# Altium PCB LAY-94611_B.PcbDoc (part 3 of 16) (continued)
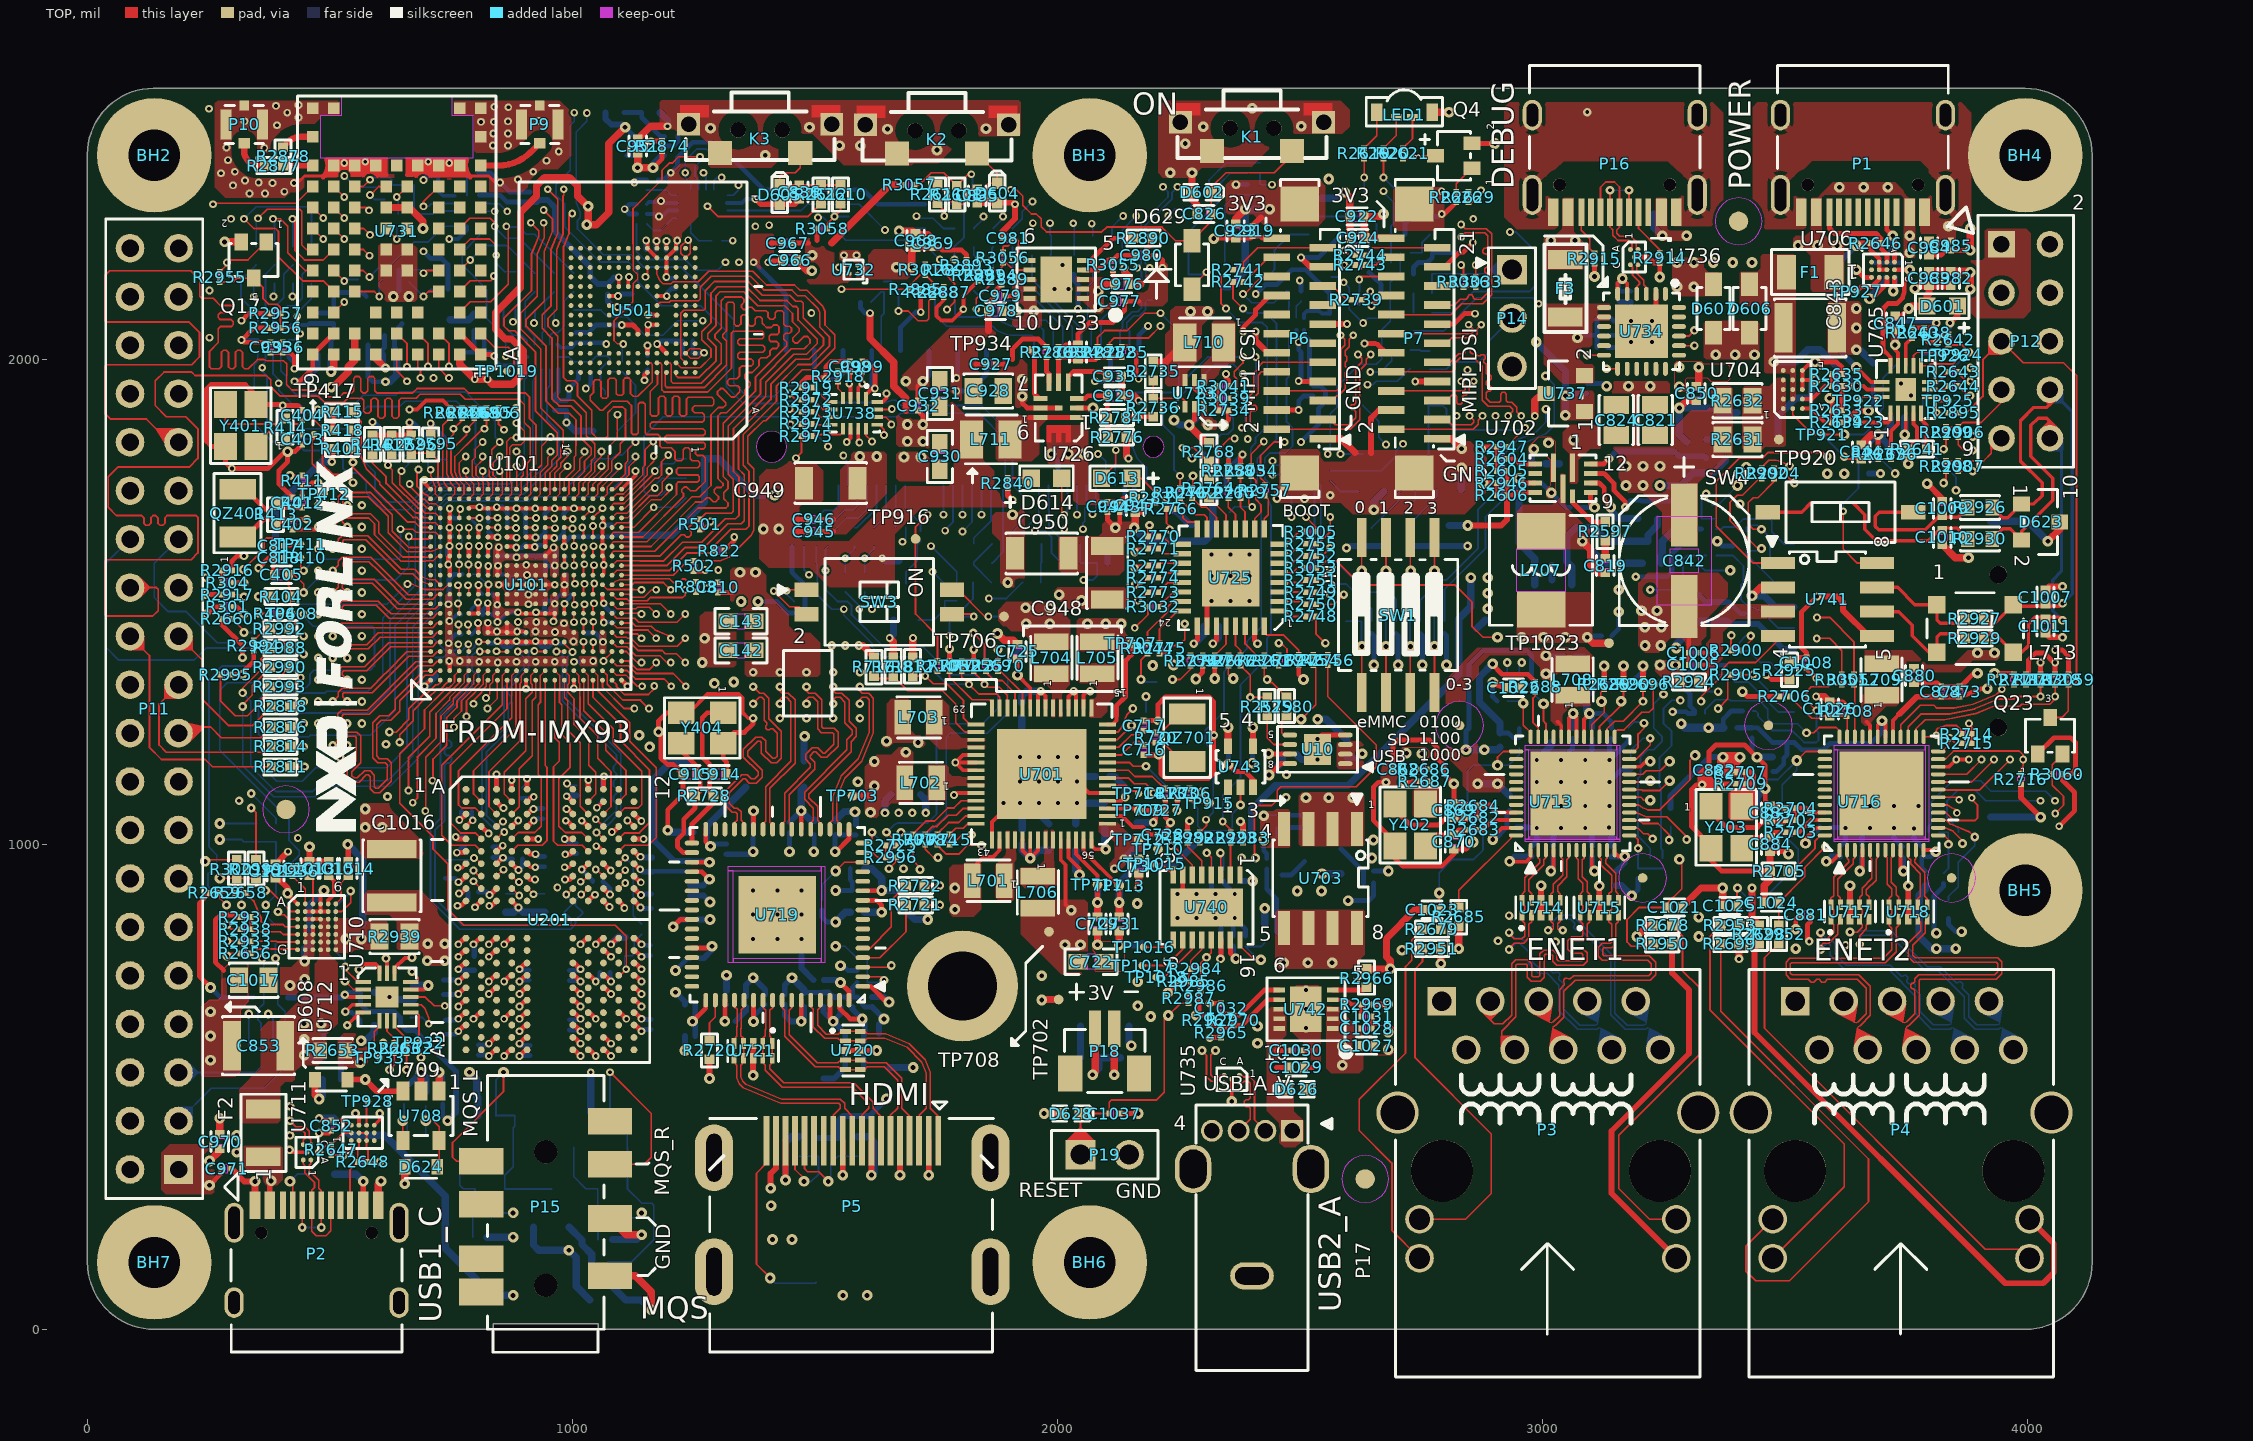
[diagram p0: TOP view]
## Part data (continued)
  R2639: Part Reference=R2639, Temp_Range="-55C to +155C"
  R2786: Part Reference=R2786, Temp_Range="-55C to +155C"
R706 R707 R708 R710 R714 R715 R2569 R2570 R2640 R2643 R2644 R2656 R2658 R2662 R2663 R2738 R2740 R2753 R2754 R2756 R2761 R2763 R2767 R2769 R2852 R2856 R2857 R2858 R2861 R2863 R2865 R2868 R2895 R2896 R2898 R2899 R2900 R2901 R2902 R2903 R2904 R2905 R2906 R2907 R2908 R2909 R2931 R2933 R2934 R2935 R2938 R2955 R2959 R2961 R2970 R2972 R2973 R2974 R2975 R3023 R3024 R3029 R3030 R3056: library part RES, "0201,0Ohm,+/-5%", Tolerance=5%, Voltage=1/16W, CAD_APPROVED=Yes, CLASS=DISCRETE, FPLIST=RC0402_25,RC0402_HD,RC0402_X2,0402_CC, Height="0.45 MM", MFG_NAME01=FENGHUA, MFG_PN01=RC-01000JT, PCB Footprint=R0201, RoHS=Yes
  R706: Part Reference=R706
  R707: Part Reference=R707
  R708: Part Reference=R708
  R710: Part Reference=R710
  R714: Part Reference=R714
  R715: Part Reference=R715
  R2569: Part Reference=R2569
  R2570: Part Reference=R2570
  R2640: Part Reference=R2640
  R2643: Part Reference=R2643
  R2644: Part Reference=R2644
  R2656: Part Reference=R2656
  R2658: Part Reference=R2658
  R2662: Part Reference=R2662
  R2663: Part Reference=R2663
  R2738: Part Reference=R2738
  R2740: Part Reference=R2740
  R2753: Part Reference=R2753
  R2754: Part Reference=R2754
  R2756: Part Reference=R2756
  R2761: Part Reference=R2761
  R2763: Part Reference=R2763
  R2767: ASSY_OPT=DNP, Part Reference=R2767
  R2769: ASSY_OPT=DNP, Part Reference=R2769
  R2852: Part Reference=R2852
  R2856: Part Reference=R2856
  R2857: Part Reference=R2857
  R2858: Part Reference=R2858
  R2861: ASSY_OPT=DNP, Part Reference=R2861
  R2863: ASSY_OPT=DNP, Part Reference=R2863
  R2865: Part Reference=R2865
  R2868: ASSY_OPT=DNP, Part Reference=R2868
  R2895: ASSY_OPT=DNP, Part Reference=R2895
  R2896: ASSY_OPT=DNP, Part Reference=R2896
  R2898: ASSY_OPT=DNP, Part Reference=R2898
  R2899: Part Reference=R2899
  R2900: Part Reference=R2900
  R2901: Part Reference=R2901
  R2902: Part Reference=R2902
  R2903: Part Reference=R2903
  R2904: Part Reference=R2904
  R2905: Part Reference=R2905
  R2906: Part Reference=R2906
  R2907: Part Reference=R2907
  R2908: ASSY_OPT=DNP, Part Reference=R2908
  R2909: ASSY_OPT=DNP, Part Reference=R2909
  R2931: Part Reference=R2931
  R2933: Part Reference=R2933
  R2934: Part Reference=R2934
  R2935: Part Reference=R2935
  R2938: Part Reference=R2938
  R2955: ASSY_OPT=DNP, Part Reference=R2955
  R2959: ASSY_OPT=DNP, Part Reference=R2959
  R2961: Part Reference=R2961
  R2970: ASSY_OPT=DNP, Part Reference=R2970
  R2972: Part Reference=R2972
  R2973: Part Reference=R2973
  R2974: Part Reference=R2974
  R2975: Part Reference=R2975
  R3023: Part Reference=R3023
  R3024: Part Reference=R3024
  R3029: Part Reference=R3029
  R3030: ASSY_OPT=DNP, Part Reference=R3030
  R3056: ASSY_OPT=DNP, Part Reference=R3056
R712 R713 R2665 R2669 R2674 R2675 R2676 R2677 R2994 R2995: library part RES, "0201,1.5K,+/-1%", Temp Range="-55C to +155C", Tolerance=5%, Voltage=50V, CAD_APPROVED=Yes, CLASS=DISCRETE, FPLIST=RC0402_25,RC0402_HD,0402_CC,RC0402_X2, Height=0.41mm, MFG_NAME01=FENGHUA, MFG_PN01=RC-01W1501FT, PCB Footprint=R0201, RoHS=Yes, Temp_Range="-55C to +155C"
  R712: Part Reference=R712
  R713: Part Reference=R713
  R2665: Part Reference=R2665
  R2669: Part Reference=R2669
  R2674: Part Reference=R2674
  R2675: ASSY_OPT=DNP, Part Reference=R2675
  R2676: Part Reference=R2676
  R2677: ASSY_OPT=DNP, Part Reference=R2677
  R2994: Part Reference=R2994
  R2995: Part Reference=R2995
R720: library part RES, "0201,1M,+/-1%", Temp Range="55¡ãC ~ 125¡ãC", Tolerance=5%, Voltage=25V, ASSY_OPT=DNP, CAD_APPROVED=Yes, CLASS=DISCRETE, FPLIST=RC0201,0201_CC, Height=0.26MM, MFG_NAME01=FENGHUA, MFG_PN01=RC-01W1004FT, Part Reference=R720, PCB Footprint=R0201, RoHS=Yes, Temp_Range="55¡ãC ~ 125¡ãC"
R816: library part RES, "0402,1K,+/-1%", Tolerance=5%, ASSY_OPT=DNP, CAD_APPROVED=Yes, CLASS=DISCRETE, FPLIST=RC0402_25,RC0402_HD,0402_CC, Height="0.4 MM", MFG_NAME01=FENGHUA, MFG_PN01=RC-02K1001FT, Part Reference=R816, PCB Footprint=R0402, RoHS=Yes
R822: library part RES, "0201,47K,5%", Temp Range="-55¡ãC ~ 125¡ãC", Tolerance=5%, Voltage=25V, CAD_APPROVED=Yes, CLASS=DISCRETE, FPLIST=RC0201,0201_CC, Height=0.26MM, MFG_NAME01=FENGHUA, MFG_PN01=RC-01W473JT, Part Reference=R822, PCB Footprint=R0201, RoHS=Yes, Temp_Range="-55¡ãC ~ 125¡ãC"
R2581 R2582 R2583 R2584: library part RES, "0201,4.7K,+/-1%", Tolerance=5%, CAD_APPROVED=Yes, CLASS=DISCRETE, FPLIST=RC0402_25,RC0402_HD,0402_CC,RC0402_X2, Height=0.41mm, MFG_NAME01=FENGHUA, MFG_PN01=RC-01W4701FT, PCB Footprint=R0201, RoHS=Yes
  R2581: Part Reference=R2581
  R2582: Part Reference=R2582
  R2583: Part Reference=R2583
  R2584: Part Reference=R2584
R2585 R2595 R2596: library part RES, "0402,100K,+/-1%", Rating=1/16W, Tolerance=5%, CAD_APPROVED=Yes, CLASS=DISCRETE, FPLIST=RC0402_25,RC0402_HD,RC0402_X2,0402_CC,CAPC0402_L, Height=0.41mm, MFG_NAME01=FENGHUA, MFG_PN01=RC-02K1003FT, PCB Footprint=R0402, RoHS=Yes
  R2585: Part Reference=R2585
  R2595: ASSY_OPT=DNP, Part Reference=R2595
  R2596: Part Reference=R2596
R2586 R2587 R2589 R2590: library part RES, "0201,1K,+/-1%", Rating=1/16W, Tolerance=5%, CAD_APPROVED=Yes, CLASS=DISCRETE, FPLIST=RC0402_25,RC0402_HD,RC0402_X2,0402_CC,CAPC0402_L, Height=0.41mm, MFG_NAME01=FENGHUA, MFG_PN01=RC-01W1001FT, PCB Footprint=R0201, RoHS=Yes
  R2586: Part Reference=R2586
  R2587: Part Reference=R2587
  R2589: Part Reference=R2589
  R2590: Part Reference=R2590
R2588: library part RES, "0402,20K,+/-1%", Rating=1/16W, Tolerance=5%, CAD_APPROVED=Yes, CLASS=DISCRETE, FPLIST=RC0402_25,RC0402_HD,RC0402_X2,0402_CC,CAPC0402_L, Height=0.41mm, MFG_NAME01=FENGHUA, MFG_PN01=RC-02K2002FT, Part Reference=R2588, PCB Footprint=R0402, RoHS=Yes
R2591: library part RES, "0201,100K,+/-1%", Rating=1/16W, Tolerance=5%, CAD_APPROVED=Yes, CLASS=DISCRETE, FPLIST=RC0402_25,RC0402_HD,RC0402_X2,0402_CC,CAPC0402_L, Height=0.41mm, MFG_NAME01=FENGHUA, MFG_PN01=RC-01W1003FT, Part Reference=R2591, PCB Footprint=R0201, RoHS=Yes
R2597: library part RESISTOR, "0402,3.3Ohm,+/-1%", Manufacturer=YAGEO, Manufacturer PN=RC0402JR-073R3L, Tolerance=5%, Created by=YTL, MFG_NAME01=FENGHUA, MFG_PN01=RC-02U3R30FT, Part Reference=R2597, Part Type=Í¨ÓÃºñÄ¤µç×è, PCB Footprint=R0402, Priority=A, RK PN=RC0402JR-073R3L, Wattage=1/16W
R2598 R2599: library part R0402,4.7K, "0402,10K,+/-1%", MFG_NAME01=FENGHUA, MFG_PN01=RC-02W1002FT, PCB Footprint=R0402, precision=¡À1£¥, serial number=1110102015
  R2598: Part Reference=R2598
  R2599: Part Reference=R2599
R2600 R2602: library part RESISTOR, "0402,1M,+/-1%", Manufacturer PN=DNPR0402, ASSY_OPT=DNP, Created by=JJJ, MFG_NAME01=FENGHUA, MFG_PN01=RC-02K1004FT, Part Type=DNP, PCB Footprint=R0402, Priority=A, RK PN=DNPR0402
  R2600: Part Reference=R2600
  R2602: Part Reference=R2602
R2601: library part RESISTOR, "0402,41.2K,+/-1%", Manufacturer=YAGEO, Manufacturer PN=RC0402FR-0743KL, Tolerance=1%, Created by=YTL, MFG_NAME01=FENGHUA, MFG_PN01=RC-02W4122FT, Part Reference=R2601, Part Type=Í¨ÓÃºñÄ¤µç×è, PCB Footprint=R0402, Priority=A, RK PN=RC0402FR-0743KL, Wattage=1/16W
R2603: library part RESISTOR, "0402,5.6K,+/-1%", Manufacturer=YAGEO, Manufacturer PN=RC0402FR-077K5L, Tolerance=1%, Created by=YTL, MFG_NAME01=FENGHUA, MFG_PN01=RC-02W5601FT, Part Reference=R2603, Part Type=Í¨ÓÃºñÄ¤µç×è, PCB Footprint=R0402, Priority=A, RK PN=RC0402FR-077K5L, Wattage=1/16W
R2604 R2605 R2606: library part RESISTOR, "0201,100K,+/-1%", Manufacturer=YAGEO, Manufacturer PN=RC0402JR-07100KL, Tolerance=5%, Created by=YTL, MFG_NAME01=FENGHUA, MFG_PN01=RC-01W1003FT, Part Type=Í¨ÓÃºñÄ¤µç×è, PCB Footprint=R0201, Priority=A, RK PN=RC0402JR-07100KL, Wattage=1/16W
  R2604: Part Reference=R2604
  R2605: Part Reference=R2605
  R2606: ASSY_OPT=DNP, Option=DNP, Part Reference=R2606
R2607 R2614 R2624 R2625 R2626 R2946: library part RESISTOR, "0201,10K,+/-5%", Manufacturer=YAGEO, Manufacturer PN=RC0402FR-0743KL, Tolerance=1%, Created by=YTL, MFG_NAME01=FENGHUA, MFG_PN01=RC-01W103JT, Part Type=Í¨ÓÃºñÄ¤µç×è, PCB Footprint=R0201, Priority=A, RK PN=RC0402FR-0743KL, Wattage=1/16W
  R2607: Part Reference=R2607
  R2614: Part Reference=R2614
  R2624: ASSY_OPT=DNP, Part Reference=R2624
  R2625: ASSY_OPT=DNP, Part Reference=R2625
  R2626: ASSY_OPT=DNP, Part Reference=R2626
  R2946: ASSY_OPT=DNP, Part Reference=R2946
R2608 R2610 R2611 R2612: library part RESISTOR, "0402,0Ohm,+/-1%", Manufacturer=YAGEO, Manufacturer PN=RC0402FR-0743KL, Tolerance=1%, Created by=YTL, MFG_NAME01=FENGHUA, MFG_PN01=RC-02000FT, Part Type=Í¨ÓÃºñÄ¤µç×è, PCB Footprint=R0402, Priority=A, RK PN=RC0402FR-0743KL, Wattage=1/16W
  R2608: Part Reference=R2608
  R2610: Part Reference=R2610
  R2611: ASSY_OPT=DNP, Part Reference=R2611
  R2612: ASSY_OPT=DNP, Part Reference=R2612
R2609: library part RESISTOR, "0402,330Ohm,+/-1%", Manufacturer=YAGEO, Manufacturer PN=RC0402FR-0743KL, Tolerance=1%, Created by=YTL, MFG_NAME01=FENGHUA, MFG_PN01=RC-02W3300FT, Part Reference=R2609, Part Type=Í¨ÓÃºñÄ¤µç×è, PCB Footprint=R0402, Priority=A, RK PN=RC0402FR-0743KL, Wattage=1/16W
R2613 R2623 R2627 R2629: library part RESISTOR, "0201,1K,+/-1%", Manufacturer=YAGEO, Manufacturer PN=RC0402FR-0743KL, Tolerance=1%, Created by=YTL, MFG_NAME01=FENGHUA, MFG_PN01=RC-01W1001FT, Part Type=Í¨ÓÃºñÄ¤µç×è, PCB Footprint=R0201, Priority=A, RK PN=RC0402FR-0743KL, Wattage=1/16W
  R2613: ASSY_OPT=DNP, Part Reference=R2613
  R2623: Part Reference=R2623
  R2627: Part Reference=R2627
  R2629: Part Reference=R2629
R2619 R2620 R2621 R2943: library part RESISTOR, "0201,4.7K,+/-1%", Manufacturer=YAGEO, Manufacturer PN=RC0402FR-0743KL, Tolerance=1%, Created by=YTL, MFG_NAME01=FENGHUA, MFG_PN01=RC-01W4701FT, Part Type=Í¨ÓÃºñÄ¤µç×è, PCB Footprint=R0201, Priority=A, RK PN=RC0402FR-0743KL, Wattage=1/16W
  R2619: Part Reference=R2619
  R2620: Part Reference=R2620
  R2621: Part Reference=R2621
  R2943: Part Reference=R2943
R2630: library part RES, "0201,1M,+/-1%", Tolerance=1%, ASSY_OPT=DNP, CAD_APPROVED=Yes, CLASS=DISCRETE, FPLIST=RC0402_25,RC0402_HD,0402_CC, Height=0.4MM, MFG_NAME01=FENGHUA, MFG_PN01=RC-01W1004FT, Part Reference=R2630, PCB Footprint=R0201, RoHS=Yes
R2631 R2632: library part RES, "0805,0Ohm+/-5%", Temp Range="-55 ¡ãC to +155 ¡ãC", Voltage=150V, CAD_APPROVED=Yes, CLASS=DISCRETE, FPLIST=RC0805_OV,RC0805,0805_CC, Height=0.6MM, MFG_NAME01=FENGHUA, MFG_PN01=RS-05000JT, PCB Footprint=R0805, RoHS=Yes
  R2631: Part Reference=R2631
  R2632: Part Reference=R2632
R2645 R2646 R2647 R2648: library part RESISTOR, "0201,0Ohm,+/-5%", Manufacturer=YAGEO, Manufacturer PN=RC0402FR-0743KL, Tolerance=1%, ASSY_OPT=DNP, Created by=YTL, MFG_NAME01=FENGHUA, MFG_PN01=RC-01000JT, Part Type=Í¨ÓÃºñÄ¤µç×è, PCB Footprint=R0201, Priority=A, RK PN=RC0402FR-0743KL, Wattage=1/16W
  R2645: Part Reference=R2645
  R2646: Part Reference=R2646
  R2647: Part Reference=R2647
  R2648: Part Reference=R2648
R2649: library part RES, "0402,1.2M,+/-1%", Temp Range="-55C to +155C", Tolerance=1%, Voltage=50V, CAD_APPROVED=Yes, CLASS=DISCRETE, FPLIST=RC0402_25,RC0402_HD,0402_CC, Height="0.40 MM", MFG_NAME01=FENGHUA, MFG_PN01=RC-02U1204FT, Part Reference=R2649, PCB Footprint=R0402, RoHS=Yes, Temp_Range="-55C to +155C"
R2650 R2781 R2782 R2785 R2831 R2840: library part RES, "0201,1K,+/-1%", Tolerance=5%, CAD_APPROVED=Yes, CLASS=DISCRETE, FPLIST=RC0402_25,RC0402_HD,RC0402_X2,0402_CC,CAPC0402_L, Height=0.41mm, MFG_NAME01=FENGHUA, MFG_PN01=RC-01W1001FT, PCB Footprint=R0201, RoHS=Yes
  R2650: Part Reference=R2650, TOL=5%
  R2781: Part Reference=R2781
  R2782: ASSY_OPT=DNP, Part Reference=R2782
  R2785: ASSY_OPT=DNP, Part Reference=R2785
  R2831: Part Reference=R2831
  R2840: Part Reference=R2840
R2651 R2850: library part RES, "0402,4.7K,+/-1%", Tolerance=5%, CAD_APPROVED=Yes, CLASS=DISCRETE, FPLIST=RC0402_25,RC0402_HD,0402_CC,RC0402_X2, Height=0.41mm, MFG_NAME01=FENGHUA, MFG_PN01=RC-02K4701FT, PCB Footprint=R0402, RoHS=Yes
  R2651: Part Reference=R2651
  R2850: Part Reference=R2850
R2652: library part RES, "0402,1M,+/-1%", Tolerance=1%, ASSY_OPT=DNP, CAD_APPROVED=Yes, CLASS=DISCRETE, FPLIST=RC0402_25,RC0402_HD,0402_CC, Height=0.4MM, MFG_NAME01=FENGHUA, MFG_PN01=RC-02K1004FT, Part Reference=R2652, PCB Footprint=R0402, RoHS=Yes
R2653: library part RES, "0603,47K,+/-1%", Tolerance=5%, CAD_APPROVED=Yes, CLASS=DISCRETE, FPLIST=RC0603_OV,RC0603,0603_CC, Height="0.55 MM", MFG_NAME01=FENGHUA, MFG_PN01=RS-03K4702FT, Part Reference=R2653, PCB Footprint=R0603, RoHS=Yes
R2654: library part RES, "0402,324K,+/-1%", Tolerance=1%, ASSY_OPT=DNP, CAD_APPROVED=Yes, CLASS=DISCRETE, FPLIST=RC0402_25,RC0402_HD,0402_CC, Height="0.40 MM", MFG_NAME01=FENGHUA, MFG_PN01=RC-02W3243FT, Part Reference=R2654, PCB Footprint=R0402, RoHS=Yes
R2655: library part RES, "0402,249K,+/-1%", Temp Range="-55C to +155C", Tolerance=1%, CAD_APPROVED=Yes, CLASS=DISCRETE, FPLIST=RC0402_25,RC0402_HD,0402_CC, Height="0.40 MM", MFG_NAME01=FENGHUA, MFG_PN01=RC-02W2493FT, Part Reference=R2655, PCB Footprint=R0402, RoHS=Yes, Temp_Range="-55C to +155C"
R2678 R2698 R2699 R2951: library part R0402,4.7K_Dup1, "0402,330Ohm,+/-1%", MFG_NAME01=FENGHUA, MFG_PN01=RC-02W3300FT, PCB Footprint=R0402, precision=¡À1£¥, serial number=1110102015
  R2678: Part Reference=R2678
  R2698: Part Reference=R2698
  R2699: Part Reference=R2699
  R2951: Part Reference=R2951
R2679 R2950 R2952 R2953: library part R0402,4.7K_Dup1, "0402,0Ohm,+/-1%", MFG_NAME01=FENGHUA, MFG_PN01=RC-02000FT, PCB Footprint=R0402, precision=¡À1£¥, serial number=1110102015
  R2679: Part Reference=R2679
  R2950: Part Reference=R2950
  R2952: Part Reference=R2952
  R2953: Part Reference=R2953
R2682 R2683 R2684 R2686 R2687 R2702 R2703 R2704 R2707 R2709 R3045 R3046 R3047 R3048 R3049 R3050 R3051 R3052: library part R0402,1.5K, "0201,0Ohm,+/-5%", MFG_NAME01=FENGHUA, MFG_PN01=RC-01000JT, PCB Footprint=R0201, precision=¡À1£¥, serial number=1110102060
  R2682: Part Reference=R2682
  R2683: Part Reference=R2683
  R2684: ASSY_OPT=DNP, Part Reference=R2684
  R2686: ASSY_OPT=DNP, Part Reference=R2686
  R2687: Part Reference=R2687
  R2702: Part Reference=R2702
  R2703: Part Reference=R2703
  R2704: ASSY_OPT=DNP, Part Reference=R2704
  R2707: ASSY_OPT=DNP, Part Reference=R2707
  R2709: Part Reference=R2709
  R3045: ASSY_OPT=DNP, Part Reference=R3045
  R3046: ASSY_OPT=DNP, Part Reference=R3046
  R3047: Part Reference=R3047
  R3048: Part Reference=R3048
  R3049: Part Reference=R3049
  R3050: ASSY_OPT=DNP, Part Reference=R3050
  R3051: ASSY_OPT=DNP, Part Reference=R3051
  R3052: Part Reference=R3052
R2685 R2705: library part R0402,2.49K, "0402,2.49K,+/-1%", MFG_NAME01=FENGHUA, MFG_PN01=RC-02W2491FT, PCB Footprint=R0402, precision=¡À1£¥, serial number=1110102182
  R2685: Part Reference=R2685
  R2705: Part Reference=R2705
R2688 R2689 R2690 R2692 R2693 R2694 R2695 R2696 R2697 R2706 R2708 R2710 R2711 R2712 R2714 R2715 R2716 R2717 R2718 R2719: library part R0402,4.7K_Dup1, "0201,4.7K,+/-1%", MFG_NAME01=FENGHUA, MFG_PN01=RC-01W4701FT, PCB Footprint=R0201, precision=¡À1£¥, serial number=1110102015
  R2688: Part Reference=R2688
  R2689: Part Reference=R2689
  R2690: Part Reference=R2690
  R2692: Part Reference=R2692
  R2693: Part Reference=R2693
  R2694: Part Reference=R2694
  R2695: Part Reference=R2695
  R2696: Part Reference=R2696
  R2697: Part Reference=R2697
  R2706: ASSY_OPT=DNP, Part Reference=R2706
  R2708: Part Reference=R2708
  R2710: Part Reference=R2710
  R2711: ASSY_OPT=DNP, Part Reference=R2711
  R2712: Part Reference=R2712
  R2714: Part Reference=R2714
  R2715: Part Reference=R2715
  R2716: Part Reference=R2716
  R2717: Part Reference=R2717
  R2718: Part Reference=R2718
  R2719: Part Reference=R2719
R2691 R2713: library part R0402,1.5K, "0402,2.2K,+/-1%", MFG_NAME01=FENGHUA, MFG_PN01=RC-02K2201FT, PCB Footprint=R0402, precision=¡À1£¥, serial number=1110102060
  R2691: Part Reference=R2691
  R2713: Part Reference=R2713
R2720: library part R0402,4.7K_Dup1, "0402,698Ohm,+/-1%", MFG_NAME01=FENGHUA, MFG_PN01=RC-02K6980FT, Part Reference=R2720, PCB Footprint=R0402, precision=¡À1£¥, serial number=1110102015
R2721 R2722: library part R0402,4.7K_Dup1, "0402,33Ohm,+/-1%", MFG_NAME01=FENGHUA, MFG_PN01=RC-02K33R0FT, PCB Footprint=R0402, precision=¡À1£¥, serial number=1110102015
  R2721: Part Reference=R2721
  R2722: Part Reference=R2722
R2724 R2727 R2729: library part R0402,4.7K_Dup1, "0201,10K,+/-5%", MFG_NAME01=FENGHUA, MFG_PN01=RC-01W103JT, PCB Footprint=R0201, precision=¡À1£¥, serial number=1110102015
  R2724: Part Reference=R2724
  R2727: Part Reference=R2727
  R2729: Part Reference=R2729
R2725 R2726 R2731 R2739 R2741 R2742 R2743 R2744 R2996 R2997 R3033 R3034 R3035 R3036 R3039: library part R0402,4.7K_Dup1, "0201,0Ohm,+/-5%", MFG_NAME01=FENGHUA, MFG_PN01=RC-01000JT, PCB Footprint=R0201, precision=¡À1£¥, serial number=1110102015
  R2725: Part Reference=R2725
  R2726: Part Reference=R2726
  R2731: Part Reference=R2731
  R2739: Part Reference=R2739
  R2741: Part Reference=R2741
  R2742: Part Reference=R2742
  R2743: Part Reference=R2743
  R2744: Part Reference=R2744
  R2996: ASSY_OPT=DNP, Part Reference=R2996
  R2997: ASSY_OPT=DNP, Part Reference=R2997
  R3033: ASSY_OPT=DNP, Part Reference=R3033
  R3034: Part Reference=R3034
  R3035: ASSY_OPT=DNP, Part Reference=R3035
  R3036: Part Reference=R3036
  R3039: ASSY_OPT=DNP, Part Reference=R3039
R2728: library part R0402,4.7K_Dup1, "0402,1M,+/-1%", MFG_NAME01=FENGHUA, MFG_PN01=RC-02K1004FT, Part Reference=R2728, PCB Footprint=R0402, precision=¡À1£¥, serial number=1110102015
R2730 R2732: library part R0402,4.7K_Dup1, "0402,2.2K,+/-1%", MFG_NAME01=FENGHUA, MFG_PN01=RC-02K2201FT, PCB Footprint=R0402, precision=¡À1£¥, serial number=1110102015
  R2730: Part Reference=R2730
  R2732: Part Reference=R2732
R2733: library part R0402,4.7K_Dup1, "0402,41.2K,+/-1%", MFG_NAME01=FENGHUA, MFG_PN01=RC-02W4122FT, Part Reference=R2733, PCB Footprint=R0402, precision=¡À1£¥, serial number=1110102015
R2734 R2874 R3041: library part RESISTOR5, "0201,100K,+/-1%", Manufacturer=YAGEO, Manufacturer PN=RC0402JR-07100KL, Tolerance=5%, Created by=YTL, MFG_NAME01=FENGHUA, MFG_PN01=RC-01W1003FT, Part Type=Í¨ÓÃºñÄ¤µç×è, PCB Footprint=R0201, Priority=A, RK PN=901001447, Wattage=1/16W
  R2734: Part Reference=R2734
  R2874: Part Reference=R2874
  R3041: ASSY_OPT=DNP, Part Reference=R3041
R2735 R2875: library part RESISTOR1, "0402,200K,+/-1%", Manufacturer=YAGEO, Manufacturer PN=RC0402FR-07249KL, Tolerance=1%, Created by=YTL, MFG_NAME01=FENGHUA, MFG_PN01=RC-02K2003FT, Part Type=Í¨ÓÃºñÄ¤µç×è, PCB Footprint=R0402, Priority=A, RK PN=901000996, Wattage=1/16W
  R2735: Part Reference=R2735
  R2875: Part Reference=R2875
R2736: library part RESISTOR1, "0402,44.2K,+/-1%", Manufacturer=YAGEO, Manufacturer PN=RC0402FR-07249KL, Tolerance=1%, Created by=YTL, MFG_NAME01=FENGHUA, MFG_PN01=RC-02K4422FT, Part Reference=R2736, Part Type=Í¨ÓÃºñÄ¤µç×è, PCB Footprint=R0402, Priority=A, RK PN=901000996, Wattage=1/16W
R2748 R2749 R2750 R2751 R2752 R2755 R2757 R2759 R2760 R2762 R2766 R2770 R2771 R2772 R2773 R2774 R2775 R2864 R3005 R3032 R3040 R3044 R3053 R3054: library part RES, "0201,100Ohm,+/-1%", Temp Range="-55¡ãC to +175¡ãC", Tolerance=5%, CAD_APPROVED=Yes, CLASS=DISCRETE, FPLIST=RC0402_25,RC0402_HD,RC0402_X2,0402_CC, Height=0.45MM, MFG_NAME01=FENGHUA, MFG_PN01=RC-01W1000FT, PCB Footprint=R0201, RoHS=Yes
  R2748: Part Reference=R2748
  R2749: Part Reference=R2749
  R2750: Part Reference=R2750
  R2751: Part Reference=R2751
  R2752: Part Reference=R2752
  R2755: Part Reference=R2755
  R2757: Part Reference=R2757
  R2759: Part Reference=R2759
  R2760: Part Reference=R2760
  R2762: Part Reference=R2762
  R2766: Part Reference=R2766
  R2770: Part Reference=R2770
  R2771: Part Reference=R2771
  R2772: Part Reference=R2772
  R2773: Part Reference=R2773
  R2774: Part Reference=R2774
  R2775: Part Reference=R2775
  R2864: Part Reference=R2864
  R3005: Part Reference=R3005
  R3032: Part Reference=R3032
  R3040: Part Reference=R3040
  R3044: Part Reference=R3044
  R3053: Part Reference=R3053
  R3054: Part Reference=R3054
R2764: library part RES, "0402,15K,+/-1%", Tolerance=1%, CAD_APPROVED=Yes, CLASS=DISCRETE, FPLIST=RC0402_25,RC0402_HD,0402_CC, Height="0.4 MM", MFG_NAME01=FENGHUA, MFG_PN01=RC-02W1502FT, Part Reference=R2764, PCB Footprint=R0402, RoHS=Yes
R2768: library part RES, "0402,18K,+/-1%", Temp Range="-55¡ãC to +155¡ãC", Tolerance=1%, Voltage=50V, CAD_APPROVED=Yes, CLASS=DISCRETE, FPLIST=RC0402_25,RC0402_HD,0402_CC, Height=0.4MM, MFG_NAME01=FENGHUA, MFG_PN01=RC-02W1802FT, Part Reference=R2768, PCB Footprint=R0402, RoHS=Yes
R2776: library part RES, "0402,187K,+/-1%", Temp_Range="-55C to +155C", Tolerance=1%, CAD_APPROVED=Yes, CLASS=DISCRETE, FPLIST=RC0402_25,RC0402_HD,0402_CC, Height="0.40 MM", MFG_NAME01=FENGHUA, MFG_PN01=RC-02W1873FT, Part Reference=R2776, PCB Footprint=R0402, RoHS=Yes
R2784: library part RES, "0402,41.2K,+/-1%", Temp_Range="-55C to +155C", Tolerance=1%, CAD_APPROVED=Yes, CLASS=DISCRETE, FPLIST=RC0402_25,RC0402_HD,0402_CC, Height="0.40 MM", MFG_NAME01=FENGHUA, MFG_PN01=RC-02W4122FT, Part Reference=R2784, PCB Footprint=R0402, RoHS=Yes
R2876: library part RESISTOR1, "0402,100K,+/-1%", Manufacturer=YAGEO, Manufacturer PN=RC0402FR-07249KL, Tolerance=1%, Created by=YTL, MFG_NAME01=FENGHUA, MFG_PN01=RC-02K1003FT, Part Reference=R2876, Part Type=Í¨ÓÃºñÄ¤µç×è, PCB Footprint=R0402, Priority=A, RK PN=901000996, Wattage=1/16W
R2877 R2878: library part R0402,4.7K, "0402,0Ohm,+/-1%", MFG_NAME01=FENGHUA, MFG_PN01=RC-02000FT, PCB Footprint=R0402, precision=¡À1£¥, serial number=1110102015
  R2877: ASSY_OPT=DNP, Part Reference=R2877
  R2878: Part Reference=R2878
R2881 R2882: library part RES, "0201,10K,+/-5%", Tolerance=5%, Voltage=1/16W, CAD_APPROVED=Yes, CLASS=DISCRETE, FPLIST=RC0402_25,RC0402_HD,RC0402_X2,0402_CC, Height="0.45 MM", MFG_NAME01=FENGHUA, MFG_PN01=RC-01W103JT, PCB Footprint=R0201, RoHS=Yes
  R2881: Part Reference=R2881
  R2882: Part Reference=R2882
R2883 R2884: library part RES, "0201,51K,+/-1%,RC-01W5102FT", Tolerance=5%, Voltage=1/16W, ASSY_OPT=DNP, CAD_APPROVED=Yes, CLASS=DISCRETE, FPLIST=RC0402_25,RC0402_HD,RC0402_X2,0402_CC, Height="0.45 MM", MFG_NAME01=FENGHUA, MFG_PN01=RC-01W5102FT, PCB Footprint=R0201, RoHS=Yes
  R2883: Part Reference=R2883
  R2884: Part Reference=R2884
R2885 R2889 R2965: library part RES, "0201,100K,+/-1%", Temp Range="-55¡ãC ~ 155¡ãC", Tolerance=1%, CAD_APPROVED=Yes, CLASS=DISCRETE, FPLIST=RC0402_25,RC0402_HD,0402_CC, Height="0.4 MM", MFG_NAME01=FENGHUA, MFG_PN01=RC-01W1003FT, PCB Footprint=R0201, RoHS=Yes
  R2885: ASSY_OPT=DNP, Part Reference=R2885
  R2889: ASSY_OPT=DNP, Part Reference=R2889
  R2965: Part Reference=R2965
R2888 R2892 R2894 R2916 R2917 R3016: library part RES, "0201,1K,+/-1%", Tolerance=5%, Voltage=1/16W, CAD_APPROVED=Yes, CLASS=DISCRETE, FPLIST=RC0402_25,RC0402_HD,RC0402_X2,0402_CC, Height="0.45 MM", MFG_NAME01=FENGHUA, MFG_PN01=RC-01W1001FT, PCB Footprint=R0201, RoHS=Yes
  R2888: Part Reference=R2888
  R2892: Part Reference=R2892
  R2894: ASSY_OPT=DNP, Part Reference=R2894
  R2916: Part Reference=R2916
  R2917: Part Reference=R2917
  R3016: ASSY_OPT=DNP, Part Reference=R3016
R2890 R2966: library part RES, "0402,6.65K,+/-1%", Temp Range="-55¡ãC ~ 155¡ãC", Tolerance=1%, CAD_APPROVED=Yes, CLASS=DISCRETE, FPLIST=RC0402_25,RC0402_HD,0402_CC, Height="0.4 MM", MFG_NAME01=FENGHUA, MFG_PN01=RC-02W6651FT, PCB Footprint=R0402, RoHS=Yes
  R2890: Part Reference=R2890
  R2966: Part Reference=R2966
R2893 R2936 R2937: library part RES, "0201,100K,+/-1%", Tolerance=5%, Voltage=1/16W, CAD_APPROVED=Yes, CLASS=DISCRETE, FPLIST=RC0402_25,RC0402_HD,RC0402_X2,0402_CC, Height="0.45 MM", MFG_NAME01=FENGHUA, MFG_PN01=RC-01W1003FT, PCB Footprint=R0201, RoHS=Yes
  R2893: ASSY_OPT=DNP, Part Reference=R2893
  R2936: Part Reference=R2936
  R2937: ASSY_OPT=DNP, Part Reference=R2937
R2910 R2912: library part RES, "0402,270Ohm,+/-5%", Temp Range="-55¡ãC to +155¡ãC", Tolerance=1%, Voltage=50V, CAD_APPROVED=Yes, CLASS=DISCRETE, FPLIST=RC0402_25,RC0402_HD,0402_CC, Height=0.4MM, MFG_NAME01=FENGHUA, MFG_PN01=RC-02W271JT, PCB Footprint=R0402, RoHS=Yes
  R2910: Part Reference=R2910
  R2912: Part Reference=R2912
R2911 R2913: library part RES, "0402,150Ohm,+/-5%", Tolerance=5%, Voltage=1/16W, CAD_APPROVED=Yes, CLASS=DISCRETE, FPLIST=RC0402_25,RC0402_HD,0402_CC, Height="0.40 MM", MFG_NAME01=FENGHUA, MFG_PN01=RC-02W151JT, PCB Footprint=R0402, RoHS=Yes
  R2911: Part Reference=R2911
  R2913: Part Reference=R2913
R2914 R2915: library part R0402,4.7K, "0201,5.1K,+/-1%", MFG_NAME01=FENGHUA, MFG_PN01=RC-01W5101FT, PCB Footprint=R0201, precision=¡À1£¥, serial number=1110102015
  R2914: Part Reference=R2914
  R2915: Part Reference=R2915
R2918 R2919 R2979 R2980 R2981 R2982 R2983 R2985 R2986 R3015 R3025 R3026 R3027: library part R0402,10K, "0201,10K,+/-5%", MFG_NAME01=FENGHUA, MFG_PN01=RC-01W103JT, PCB Footprint=R0201, precision=¡À1£¥, serial number=1110102037
  R2918: Part Reference=R2918
  R2919: Part Reference=R2919
  R2979: Part Reference=R2979
  R2980: Part Reference=R2980
  R2981: Part Reference=R2981
  R2982: ASSY_OPT=DNP, Part Reference=R2982
  R2983: ASSY_OPT=DNP, Part Reference=R2983
  R2985: Part Reference=R2985
  R2986: Part Reference=R2986
  R3015: Part Reference=R3015
  R3025: ASSY_OPT=DNP, Part Reference=R3025
  R3026: Part Reference=R3026
  R3027: Part Reference=R3027
R2922 R2923 R2984 R2987: library part R0402,0R, "0201,0Ohm,+/-5%", MFG_NAME01=FENGHUA, MFG_PN01=RC-01000JT, PCB Footprint=R0201, precision=¡À5£¥, serial number=1110102001
  R2922: Part Reference=R2922
  R2923: Part Reference=R2923
  R2984: Part Reference=R2984
  R2987: ASSY_OPT=DNP, Part Reference=R2987
R2926 R2930: library part RES, "0603,62Ohm,+/-5%", Temp Range="-55C to +155C", Tolerance=1%, CAD_APPROVED=Yes, CLASS=DISCRETE, FPLIST=RC0603_OV,RC0603,0603_CC, Height=0.55MM, MFG_NAME01=FENGHUA, MFG_PN01=RS-03K620JT, PCB Footprint=R0603, RoHS=Yes
  R2926: Part Reference=R2926
  R2930: Part Reference=R2930
R2927 R2929: library part RES, "0402,0Ohm,+/-1%", Rating=1/16W, Tolerance=5%, ASSY_OPT=DNP, CAD_APPROVED=Yes, CLASS=DISCRETE, FPLIST=RC0402_25,RC0402_HD,RC0402_X2,0402_CC, Height="0.45 MM", MFG_NAME01=FENGHUA, MFG_PN01=RC-02000FT, PCB Footprint=R0402, RoHS=Yes, Voltage=1/16W
  R2927: Part Reference=R2927
  R2929: Part Reference=R2929
R2939 R2940: library part RES, "0805,0Ohm+/-5%", Tolerance=5%, Voltage=1/16W, ASSY_OPT=DNP, CAD_APPROVED=Yes, CLASS=DISCRETE, FPLIST=RC0402_25,RC0402_HD,RC0402_X2,0402_CC, Height="0.45 MM", MFG_NAME01=FENGHUA, MFG_PN01=RS-05000JT, PCB Footprint=R0805, RoHS=Yes
  R2939: Part Reference=R2939
  R2940: Part Reference=R2940
R2942: library part RES, "0201,0Ohm,+/-5%", Temp Range="-55¡ãC ~ 125¡ãC", Tolerance=1%, Voltage=25V, CAD_APPROVED=Yes, CLASS=DISCRETE, FPLIST=CC0201,CC0201_HD,0201_CC, Height=0.26MM, MFG_NAME01=FENGHUA, MFG_PN01=RC-01000JT, Part Reference=R2942, PCB Footprint=R0201, RoHS=Yes, Temp_Range="-55¡ãC ~ 125¡ãC"
R2945: library part RESISTOR, "0201,0Ohm,+/-5%", Manufacturer=YAGEO, Manufacturer PN=RC0402JR-07100KL, Tolerance=5%, Created by=YTL, MFG_NAME01=FENGHUA, MFG_PN01=RC-01000JT, Part Reference=R2945, Part Type=Í¨ÓÃºñÄ¤µç×è, PCB Footprint=R0201, Priority=A, RK PN=RC0402JR-07100KL, Wattage=1/16W
R2947: library part RESISTOR, "0201,56K,+/-1%", Manufacturer=YAGEO, Manufacturer PN=RC0402FR-0743KL, Tolerance=1%, Created by=YTL, MFG_NAME01=FENGHUA, MFG_PN01=RC-01W5602FT, Part Reference=R2947, Part Type=Í¨ÓÃºñÄ¤µç×è, PCB Footprint=R0201, Priority=A, RK PN=RC0402FR-0743KL, Wattage=1/16W
R2956 R2960: library part RES, "0201,100K,+/-1%", Tolerance=5%, ASSY_OPT=DNP, CAD_APPROVED=Yes, CLASS=DISCRETE, FPLIST=RC0402_25,RC0402_HD,0402_CC, Height="0.4 MM", MFG_NAME01=FENGHUA, MFG_PN01=RC-01W1003FT, PCB Footprint=R0201, RoHS=Yes
  R2956: Part Reference=R2956
  R2960: Part Reference=R2960
R2976: library part R0402,10K, "0402,330Ohm,+/-1%", MFG_NAME01=FENGHUA, MFG_PN01=RC-02W3300FT, Part Reference=R2976, PCB Footprint=R0402, precision=¡À1£¥, serial number=1110102037
R2977: library part R0402,10K, "0402,0Ohm,+/-1%", MFG_NAME01=FENGHUA, MFG_PN01=RC-02000FT, Part Reference=R2977, PCB Footprint=R0402, precision=¡À1£¥, serial number=1110102037
R2978: library part R0402,10K, "0402,1K,+/-1%", MFG_NAME01=FENGHUA, MFG_PN01=RC-02K1001FT, Part Reference=R2978, PCB Footprint=R0402, precision=¡À1£¥, serial number=1110102037
R3002: library part RESISTOR, "0402,0Ohm,+/-1%", Manufacturer=YAGEO, Manufacturer PN=RC0402JR-07100KL, Tolerance=5%, Created by=YTL, MFG_NAME01=FENGHUA, MFG_PN01=RC-02000FT, Part Reference=R3002, Part Type=Í¨ÓÃºñÄ¤µç×è, PCB Footprint=R0402, Priority=A, RK PN=RC0402JR-07100KL, Wattage=1/16W
R3019 R3020: library part RES, "0201,200K,+/-1%", Rating=1/16W, Tolerance=5%, CAD_APPROVED=Yes, CLASS=DISCRETE, FPLIST=RC0402_25,RC0402_HD,RC0402_X2,0402_CC,CAPC0402_L, Height=0.41mm, MFG_NAME01=FENGHUA, MFG_PN01=RC-01W2003FT, PCB Footprint=R0201, RoHS=Yes
  R3019: Part Reference=R3019
  R3020: Part Reference=R3020
R3021 R3022: library part RES, "0201,0Ohm,+/-5%", Rating=1/16W, Tolerance=5%, CAD_APPROVED=Yes, CLASS=DISCRETE, FPLIST=RC0402_25,RC0402_HD,RC0402_X2,0402_CC,CAPC0402_L, Height=0.41mm, MFG_NAME01=FENGHUA, MFG_PN01=RC-01000JT, PCB Footprint=R0201, RoHS=Yes
  R3021: Part Reference=R3021
  R3022: ASSY_OPT=DNP, Part Reference=R3022
R3042 R3043: library part R0402,4.7K_Dup1, "1206,1M,+/-5%", MFG_NAME01=FENGHUA, MFG_PN01=RS-06K105JT, PCB Footprint=R1206, precision=¡À1£¥, serial number=1110102015
  R3042: Part Reference=R3042
  R3043: Part Reference=R3043
SW1: library part CHS-04TA_SW, "4bit,8P,1.27mm,black", 3D_Mechanical_Footprint_File=ftp://fcl.am.freescale.net/ALLEGRO/step/sw_chs_04_a.step, CAD_APPROVED=Yes, CLASS=IC, Height=2.5MM, MFG_NAME01=CTS, MFG_PN01=4bit-8P-1.27mm, Part Reference=SW1, PCB Footprint=sw_chs_04_a, RoHS=Yes
SW3: library part SW_SMT_1, "2bit,4P,1.27mm,black", MFG_NAME01=KE, MFG_PN01=2bit-4P-1.27mm, Part Reference=SW3, PCB Footprint=SW_SMT_4
SW4: library part SW-SPST_A, "1bit,2P,1.27mm,black", Temp Range="-40C ~ 85C", 3D_Mechanical_Footprint_File=ftp://fcl.am.freescale.net/ALLEGRO/step/sw_2p8x5p7_sm.step, CAD_APPROVED=Yes, CLASS=IC, Height=2.5MM, MFG_NAME01=KE, MFG_PN01=1bit-2P-1.27mm, Part Reference=SW4, PCB Footprint=sw_2p8x5p4_sm, RoHS=Yes
TP202 TP408 TP410 TP411 TP412 TP417 TP917 TP918 TP919 TP921 TP922 TP923 TP924 TP925 TP926 TP927 TP928 TP932 TP933 TP934 TP935 TP936 TP937 TP938 TP1015 TP1016 TP1017 TP1018 TP1019 TP1020 TP1021: library part TESTLOOP, "no part to order", ASSY_OPT=DNP, CAD_APPROVED=Yes, CLASS=IO, Height=0.1MM, MFG_NAME01="NOT A COMPONENT", MFG_PN01="NOT A COMPONENT", RoHS=Yes
  TP202: Part Reference=TP202, PCB Footprint=tpad_015
  TP408: Part Reference=TP408, PCB Footprint=tpad_015
  TP410: Part Reference=TP410, PCB Footprint=tpad_015
  TP411: Part Reference=TP411, PCB Footprint=tpad_015
  TP412: Part Reference=TP412, PCB Footprint=tpad_015
  TP417: Part Reference=TP417, PCB Footprint=tpad_015
  TP917: Part Reference=TP917, PCB Footprint=tpad_1212
  TP918: Part Reference=TP918, PCB Footprint=tpad_1212
  TP919: Part Reference=TP919, PCB Footprint=tpad_1212
  TP921: Part Reference=TP921, PCB Footprint=tpad_015
  TP922: Part Reference=TP922, PCB Footprint=tpad_015
  TP923: Part Reference=TP923, PCB Footprint=tpad_015
  TP924: Part Reference=TP924, PCB Footprint=tpad_015
  TP925: Part Reference=TP925, PCB Footprint=tpad_015
  TP926: Part Reference=TP926, PCB Footprint=tpad_015
  TP927: Part Reference=TP927, PCB Footprint=tpad_015
  TP928: Part Reference=TP928, PCB Footprint=tpad_015
  TP932: Part Reference=TP932, PCB Footprint=tpad_015
  TP933: Part Reference=TP933, PCB Footprint=tpad_015
  TP934: Part Reference=TP934, PCB Footprint=tpad_015
  TP935: Part Reference=TP935, PCB Footprint=tpad_015
  TP936: Part Reference=TP936, PCB Footprint=tpad_015
  TP937: Part Reference=TP937, PCB Footprint=tpad_015
  TP938: Part Reference=TP938, PCB Footprint=tpad_015
  TP1015: Part Reference=TP1015, PCB Footprint=tpad_015
  TP1016: Part Reference=TP1016, PCB Footprint=tpad_015
  TP1017: Part Reference=TP1017, PCB Footprint=tpad_015
  TP1018: Part Reference=TP1018, PCB Footprint=tpad_015
  TP1019: Part Reference=TP1019, PCB Footprint=tpad_015
  TP1020: Part Reference=TP1020, PCB Footprint=tpad_015
  TP1021: Part Reference=TP1021, PCB Footprint=tpad_015